# Altium PCB InsaneKeyboard.PcbDoc (part 1 of 4) (continued)
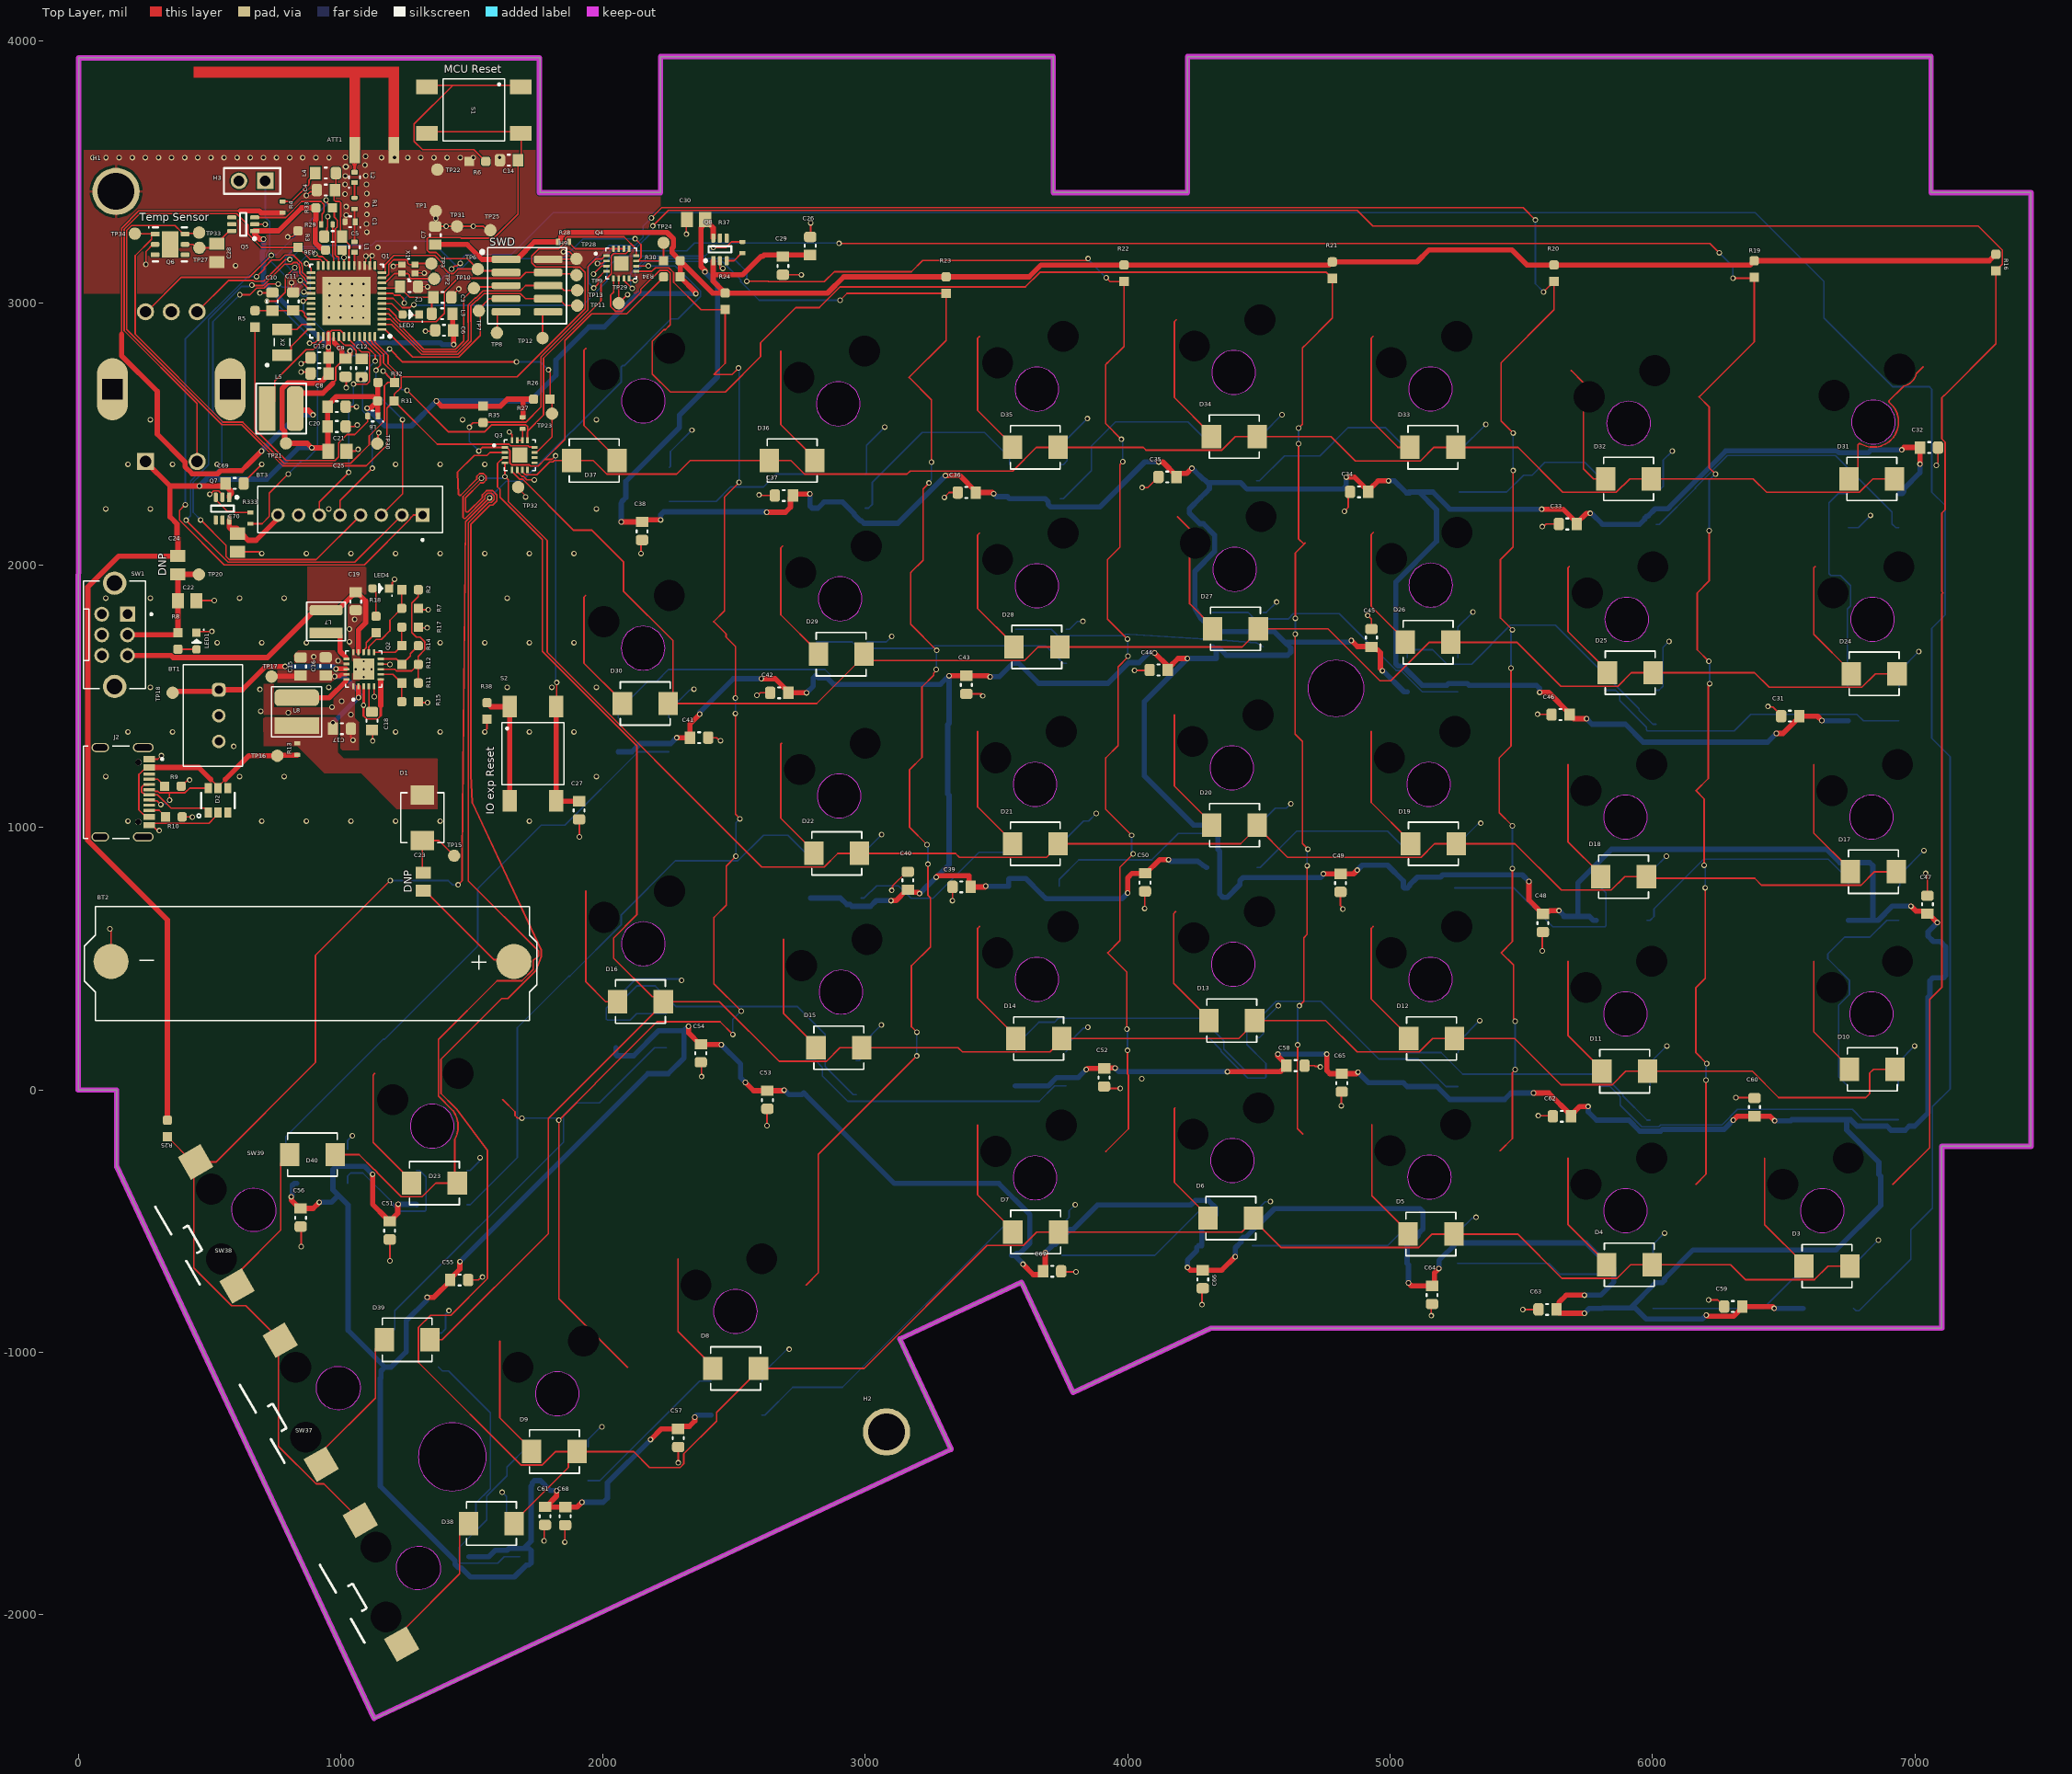
[diagram p0: Top Layer view]
## Part data (continued)
L3 L4: "RFVDD, PAVDD, EFR", Case Code=0603, Clock Frequency=100MHz, Current Rating=500mA, DC Resistance-Max=380mR, Manufacturer=Murata, Manufacturer Part Number=BLM18AG601SN1D, Max Operating Temperature=125°C, Min Operating Temperature=-55°C, Supplier Part Number=490-1014-1-ND, Category="Ferrite Beads and Chips", Channels=1, ComponentLink1Description=https://datasheet.ciiva.com:443/pdfs/VipMasterIC/IC/MURE/MURE-S-A0008871331/MURE-S-A0008870588-1.pdf?src-supplier=IHS+Markit, ComponentLink1URL=https://datasheet.ciiva.com:443/pdfs/VipMasterIC/IC/MURE/MURE-S-A0008871331/MURE-S-A0008870588-1.pdf?src-supplier=IHS+Markit, ComponentLink2Description=https://datasheet.ciiva.com/19460/1844766-19460213.pdf?src-supplier=Jameco, ComponentLink2URL=https://datasheet.ciiva.com/19460/1844766-19460213.pdf?src-supplier=Jameco, ComponentLink3Description=https://datasheet.ciiva.com/29347/442309-da-01-en-chip-drossel-0603-600r-500ma-1-6x0-8mm-29347900.pdf?src-supplier=Conrad, ComponentLink3URL=https://datasheet.ciiva.com/29347/442309-da-01-en-chip-drossel-0603-600r-500ma-1-6x0-8mm-29347900.pdf?src-supplier=Conrad, ComponentLink4Description=https://datasheet.ciiva.com/41449/001172228-da-01-en-drossel-0603-600r-1-6x0-8mm-4000st-41449517.pdf?src-supplier=Conrad, ComponentLink4URL=https://datasheet.ciiva.com/41449/001172228-da-01-en-drossel-0603-600r-1-6x0-8mm-4000st-41449517.pdf?src-supplier=Conrad, ComponentLink5Description=https://datasheet.ciiva.com/1012/l0110s0100blm18a-1012017.pdf?src-supplier=Digikey, ComponentLink5URL=https://datasheet.ciiva.com/1012/l0110s0100blm18a-1012017.pdf?src-supplier=Digikey, ComponentLink6Description=https://datasheet.ciiva.com/1012/l0110s0100blm18a-1012018.pdf?src-supplier=Digikey, ComponentLink6URL=https://datasheet.ciiva.com/1012/l0110s0100blm18a-1012018.pdf?src-supplier=Digikey, ComponentLink7Description=https://datasheet.ciiva.com/1012/l0110s0100blm18a-1012019.pdf?src-supplier=Digikey, ComponentLink7URL=https://datasheet.ciiva.com/1012/l0110s0100blm18a-1012019.pdf?src-supplier=Digikey, ComponentLink8Description=https://datasheet.ciiva.com/3081/l0110s0100blm18a-3081613.pdf?src-supplier=Avnet, ComponentLink8URL=https://datasheet.ciiva.com/3081/l0110s0100blm18a-3081613.pdf?src-supplier=Avnet, Construction="Chip Bead", Filter Type="FERRITE CHIP", Height=0.8mm, JESD-609 Code=e3, Length=1.6mm, Material=Ferrite, Min Frequency=100MHz, Mounting Technology="Surface Mount", Output Impedance=600R, Packaging="Tape and Reel", Pricing="1=0.1, 10=0.058, 25=0.0504, 50=0.0452, 100=0.0405, 250=0.03488, 500=0.03106, 1000=0.02756 (USD)", Reach SVHC Compliant=Yes, RoHS=Yes, RoHS Compliant=Yes, Stock=669813, Supplier=Digikey, Terminal Finish=Nickel, Width=0.8mm
L5: "General Purpose Inductor, 4.7uH, 30%, 1 Element, Ferrite-Core, SMD, 1515", Case/Size Code=1515, DC Resistance (DCR)=105mR, Inductance-Nom (L)=4.7uH, Inductor Application="POWER INDUCTOR", Inductor Type="GENERAL PURPOSE INDUCTOR", Manufacturer="Wurth Electronics", Manufacturer Part Number=744031004, Max Current Rating=1.2A, Max Operating Temperature=115°C, Min Operating Temperature=-40°C, Package Height=1.65mm, Package Length=3.8mm, Package Style=SMTMeter, Self Resonant Frequency=75MHz, Supplier Part Number=732-1008-1-ND, Test Frequency=100kHz, Tolerance=30%, Category="Fixed Inductors", Channels=1, ComponentLink1Description=https://datasheet.ciiva.com:443/pdfs/VipMasterIC/IC/MIDC/MIDC-S-A0002801302/MIDC-S-A0002801302-1.pdf?src-supplier=IHS+Markit, ComponentLink1URL=https://datasheet.ciiva.com:443/pdfs/VipMasterIC/IC/MIDC/MIDC-S-A0002801302/MIDC-S-A0002801302-1.pdf?src-supplier=IHS+Markit, ComponentLink2Description=https://datasheet.ciiva.com/7210/744031004-7210940.pdf?src-supplier=Newark, ComponentLink2URL=https://datasheet.ciiva.com/7210/744031004-7210940.pdf?src-supplier=Newark, ComponentLink3Description=https://datasheet.ciiva.com/11800/0900766b8079f7b1-11800238.pdf?src-supplier=Rs, ComponentLink3URL=https://datasheet.ciiva.com/11800/0900766b8079f7b1-11800238.pdf?src-supplier=Rs, ComponentLink4Description=https://datasheet.ciiva.com/4961/744031004-18796-4961279.pdf?src-supplier=Mouser, ComponentLink4URL=https://datasheet.ciiva.com/4961/744031004-18796-4961279.pdf?src-supplier=Mouser, ComponentLink5Description=https://datasheet.ciiva.com/22702/1910986-22702636.pdf?src-supplier=Element14, ComponentLink5URL=https://datasheet.ciiva.com/22702/1910986-22702636.pdf?src-supplier=Element14, ComponentLink6Description=https://datasheet.ciiva.com/14123/lm744031004-data-de-14123798.pdf?src-supplier=Distrelec, ComponentLink6URL=https://datasheet.ciiva.com/14123/lm744031004-data-de-14123798.pdf?src-supplier=Distrelec, ComponentLink7Description=https://datasheet.ciiva.com/1050/744031004-1050615.pdf?src-supplier=Digikey, ComponentLink7URL=https://datasheet.ciiva.com/1050/744031004-1050615.pdf?src-supplier=Digikey, ComponentLink8Description=https://datasheet.ciiva.com/1050/744031004-1050616.pdf?src-supplier=Digikey, ComponentLink8URL=https://datasheet.ciiva.com/1050/744031004-1050616.pdf?src-supplier=Digikey, ComponentLink9Description=https://datasheet.ciiva.com/1050/744031004-1050617.pdf?src-supplier=Digikey, ComponentLink9URL=https://datasheet.ciiva.com/1050/744031004-1050617.pdf?src-supplier=Digikey, Construction=Chip, Core Material=Ferrite, JESD-609 Code=e1, Package Width=3.8mm, Packaging="Tape and Reel", Pins=2, Pricing="1=1.52, 10=1.481, 50=1.296, 100=1.185, 500=1.044 (USD)", Reach SVHC Compliant=Yes, RoHS=Yes, RoHS Compliant=Yes, Shape/Size Description="RECTANGULAR PACKAGE", Shielding=Unshielded, Stock=8696, Supplier=Digikey, Surface Mount=Yes, Terminal Finish=Copper, Terminal Placement="Dual Ended", Termination="One Surface"
L6: "Ferrite Chip, 1 Function(s), 0.05A, 2 Pin(s)", Current Rating=50mA, DC Resistance-Max=1.8R, Manufacturer="Wurth Electronics", Manufacturer Part Number=742841210, Max Operating Temperature=125°C, Min Operating Temperature=-55°C, Supplier Part Number=732-2363-1-ND, Approvals=IECV, Category="Ferrite Beads and Chips", Channels=1, ComponentLink1Description=https://datasheet.ciiva.com:443/pdfs/VipMasterIC/IC/MIDC/MIDC-S-A0010058265/MIDC-S-A0010058302-1.pdf?src-supplier=IHS+Markit, ComponentLink1URL=https://datasheet.ciiva.com:443/pdfs/VipMasterIC/IC/MIDC/MIDC-S-A0010058265/MIDC-S-A0010058302-1.pdf?src-supplier=IHS+Markit, ComponentLink2Description=https://datasheet.ciiva.com/1013/742841210-1013608.pdf?src-supplier=Digikey, ComponentLink2URL=https://datasheet.ciiva.com/1013/742841210-1013608.pdf?src-supplier=Digikey, ComponentLink3Description=https://datasheet.ciiva.com/23763/742841210-23763049.pdf?src-supplier=Newark, ComponentLink3URL=https://datasheet.ciiva.com/23763/742841210-23763049.pdf?src-supplier=Newark, ComponentLink4Description=https://datasheet.ciiva.com/30490/0900766b812a6786-30490017.pdf?src-supplier=Rs, ComponentLink4URL=https://datasheet.ciiva.com/30490/0900766b812a6786-30490017.pdf?src-supplier=Rs, ComponentLink5Description=https://datasheet.ciiva.com/4942/742841210-66534-4942954.pdf?src-supplier=Mouser, ComponentLink5URL=https://datasheet.ciiva.com/4942/742841210-66534-4942954.pdf?src-supplier=Mouser, ComponentLink6Description=https://datasheet.ciiva.com/22711/1696154-22711446.pdf?src-supplier=Element14, ComponentLink6URL=https://datasheet.ciiva.com/22711/1696154-22711446.pdf?src-supplier=Element14, ComponentLink7Description=https://datasheet.ciiva.com/1466/1696154-1466628.pdf?src-supplier=Element14, ComponentLink7URL=https://datasheet.ciiva.com/1466/1696154-1466628.pdf?src-supplier=Element14, Filter Type="FERRITE CHIP", Height=0.5mm, JESD-609 Code=e3, Length=1mm, Mounting Technology="Surface Mount", Output Impedance=1kR, Packaging="Tape and Reel", Pricing="1=0.25, 100=0.239, 500=0.215, 1000=0.203, 2000=0.191 (USD)", Reach SVHC Compliant=Yes, RoHS=Yes, RoHS Compliant=Yes, Stock=18596, Supplier=Digikey, Terminal Finish=Nickel, Width=0.5mm
L7: "General Purpose Inductor, 10uH, 30%, 1 Element, Ferrite-Core, SMD, 1111", Case/Size Code=1111, DC Resistance (DCR)=470mR, Inductance-Nom (L)=10uH, Inductor Application="POWER INDUCTOR", Inductor Type="GENERAL PURPOSE INDUCTOR", Manufacturer="Wurth Electronics", Manufacturer Part Number=744029100, Max Current Rating=750mA, Max Operating Temperature=125°C, Min Operating Temperature=-40°C, Package Height=1.35mm, Package Length=2.8mm, Package Style=SMTMeter, Self Resonant Frequency=40MHz, Supplier Part Number=732-1091-1-ND, Test Frequency=100kHz, Tolerance=30%, Category="Fixed Inductors", Channels=1, ComponentLink1Description=https://datasheet.ciiva.com:443/pdfs/VipMasterIC/IC/MIDC/MIDC-S-A0002801410/MIDC-S-A0002801335-1.pdf?src-supplier=IHS+Markit, ComponentLink1URL=https://datasheet.ciiva.com:443/pdfs/VipMasterIC/IC/MIDC/MIDC-S-A0002801410/MIDC-S-A0002801335-1.pdf?src-supplier=IHS+Markit, ComponentLink2Description=https://datasheet.ciiva.com/6700/744029100-6700264.pdf?src-supplier=Digikey, ComponentLink2URL=https://datasheet.ciiva.com/6700/744029100-6700264.pdf?src-supplier=Digikey, ComponentLink3Description=https://datasheet.ciiva.com/5975/69360-5975061.pdf?src-supplier=Farnell, ComponentLink3URL=https://datasheet.ciiva.com/5975/69360-5975061.pdf?src-supplier=Farnell, ComponentLink4Description=https://datasheet.ciiva.com/11802/0900766b80d7f1cc-11802020.pdf?src-supplier=Rs, ComponentLink4URL=https://datasheet.ciiva.com/11802/0900766b80d7f1cc-11802020.pdf?src-supplier=Rs, ComponentLink5Description=https://datasheet.ciiva.com/4961/744029100-81254-4961409.pdf?src-supplier=Mouser, ComponentLink5URL=https://datasheet.ciiva.com/4961/744029100-81254-4961409.pdf?src-supplier=Mouser, ComponentLink6Description=https://datasheet.ciiva.com/6700/744029100-6700266.pdf?src-supplier=Digikey, ComponentLink6URL=https://datasheet.ciiva.com/6700/744029100-6700266.pdf?src-supplier=Digikey, ComponentLink7Description=https://datasheet.ciiva.com/7892/69360-7892549.pdf?src-supplier=Element14, ComponentLink7URL=https://datasheet.ciiva.com/7892/69360-7892549.pdf?src-supplier=Element14, ComponentLink8Description=https://datasheet.ciiva.com/22702/69360-22702631.pdf?src-supplier=Element14, ComponentLink8URL=https://datasheet.ciiva.com/22702/69360-22702631.pdf?src-supplier=Element14, Construction=Chip, Core Material=Ferrite, JESD-609 Code=e3, Package Width=2.8mm, Packaging="Tape and Reel", Pins=2, Pricing="1=1.5, 10=1.36, 50=1.18, 100=1.11, 500=1.02 (USD)", Reach SVHC Compliant=Yes, RoHS=Yes, RoHS Compliant=Yes, Shape/Size Description="RECTANGULAR PACKAGE", Shielding=Unshielded, Stock=28863, Supplier=Digikey, Surface Mount=Yes, Terminal Finish=Tin, Terminal Placement="Dual Ended", Termination="One Surface"
L8: "General Purpose Inductor, 22uH, 30%, 1 Element, Ferrite-Core, SMD, 1515", Case/Size Code=1515, DC Resistance (DCR)=450mR, Inductance-Nom (L)=22uH, Inductor Application="POWER INDUCTOR", Inductor Type="GENERAL PURPOSE INDUCTOR", Manufacturer="Wurth Electronics", Manufacturer Part Number=744031220, Max Current Rating=510mA, Max Operating Temperature=115°C, Min Operating Temperature=-40°C, Package Height=1.65mm, Package Length=3.8mm, Package Style=SMTMeter, Self Resonant Frequency=26MHz, Supplier Part Number=732-1012-1-ND, Test Frequency=100kHz, Tolerance=30%, Category="Fixed Inductors", Channels=1, ComponentLink1Description=https://datasheet.ciiva.com:443/pdfs/VipMasterIC/IC/MIDC/MIDC-S-A0002802410/MIDC-S-A0002802381-1.pdf?src-supplier=IHS+Markit, ComponentLink1URL=https://datasheet.ciiva.com:443/pdfs/VipMasterIC/IC/MIDC/MIDC-S-A0002802410/MIDC-S-A0002802381-1.pdf?src-supplier=IHS+Markit, ComponentLink2Description=https://datasheet.ciiva.com/4961/744031220-79613-4961173.pdf?src-supplier=Mouser, ComponentLink2URL=https://datasheet.ciiva.com/4961/744031220-79613-4961173.pdf?src-supplier=Mouser, ComponentLink3Description=https://datasheet.ciiva.com/11800/0900766b8079f7b9-11800353.pdf?src-supplier=Rs, ComponentLink3URL=https://datasheet.ciiva.com/11800/0900766b8079f7b9-11800353.pdf?src-supplier=Rs, ComponentLink4Description=https://datasheet.ciiva.com/7210/744031220-7210946.pdf?src-supplier=Newark, ComponentLink4URL=https://datasheet.ciiva.com/7210/744031220-7210946.pdf?src-supplier=Newark, ComponentLink5Description=https://datasheet.ciiva.com/1058/744031220-1058566.pdf?src-supplier=Digikey, ComponentLink5URL=https://datasheet.ciiva.com/1058/744031220-1058566.pdf?src-supplier=Digikey, ComponentLink6Description=https://datasheet.ciiva.com/1058/744031220-1058567.pdf?src-supplier=Digikey, ComponentLink6URL=https://datasheet.ciiva.com/1058/744031220-1058567.pdf?src-supplier=Digikey, ComponentLink7Description=https://datasheet.ciiva.com/14123/lp744031220-data-de-14123802.pdf?src-supplier=Distrelec, ComponentLink7URL=https://datasheet.ciiva.com/14123/lp744031220-data-de-14123802.pdf?src-supplier=Distrelec, ComponentLink8Description=https://datasheet.ciiva.com/7691/744031220-7691543.pdf?src-supplier=Element14, ComponentLink8URL=https://datasheet.ciiva.com/7691/744031220-7691543.pdf?src-supplier=Element14, Construction=Chip, Core Material=Ferrite, JESD-609 Code=e3, Package Width=3.8mm, Packaging="Tape and Reel", Pins=2, Pricing="1=1.52, 10=1.481, 50=1.296, 100=1.185, 500=1.044, 1000=0.821, 2000=0.735 (USD)", Reach SVHC Compliant=Yes, RoHS=Yes, RoHS Compliant=Yes, Shape/Size Description="RECTANGULAR PACKAGE", Shielding=Unshielded, Stock=7582, Supplier=Digikey, Surface Mount=Yes, Terminal Finish=Tin, Terminal Placement="Dual Ended", Termination="One Surface"
LED LED5 LED6 LED7 LED8 LED9 LED10 LED11 LED12 LED13 LED14 LED15 LED16 LED17 LED18 LED19 LED20 LED21 LED22 LED23 LED24 LED25 LED26 LED27 LED28 LED29 LED30 LED31 LED32 LED33 LED34 LED35 LED36 LED37 LED38 LED39 LED40 LED41: "Raspberry Pi HAT _40 pin_ Wheeled Robotics Kit", Package=None, Availability=Unavailable, MF="SparkFun Electronics", MP=WS2812B, Price=None, SnapEDA_Link=https://www.snapeda.com/parts/WS2812B/Worldsemi/view-part/1038297/?ref=snap
LED1 LED2 LED4: library part "LED Green 0603", "LED, 0603, GREEN, 430MCD, 520NM", Color=Green, Current - Test=20mA, Manufacturer="Wurth Electronics", Manufacturer Part Number=150060GS75000, Millicandela Rating=430mcd, Package / Case="0603 (1608 Metric)", Standard Package=4,000, Supplier Part Number 1=732-4971-1-ND, Voltage - Forward (Vf) (Typ)=3.2V, 3D Model="SMCW_0603.igs /  / SMCW_0603.stp /  / SMCW_0603.wrl", Category=Optoelectronics, ComponentLink1Description=https://katalog.we-online.de/led/datasheet/150060GS75000.pdf?src-supplier=Digi-Key, ComponentLink1URL=https://katalog.we-online.de/led/datasheet/150060GS75000.pdf?src-supplier=Digi-Key, ComponentLink2Description=http://www.produktinfo.conrad.com/datenblaetter/750000-774999/759427-da-01-en-CHIPLED_0603_W_KL_GRUEN_150060GS75000.pdf?src-supplier=Conrad, ComponentLink2URL=http://www.produktinfo.conrad.com/datenblaetter/750000-774999/759427-da-01-en-CHIPLED_0603_W_KL_GRUEN_150060GS75000.pdf?src-supplier=Conrad, Dynamic Catalog="0603 Rectangle with Flat Top Chip LEDs", Family="LED Indication - Discrete", Height=0.70mm, Lens Style/Size="Rectangle with Flat Top, 1.1mm x 0.7mm", Lens Type=Clear, Mounting Type="Surface Mount", Online Catalog="0603 Rectangle with Flat Top Chip LEDs", Other Names=732-4971-2, Packaging="Tape & Reel (TR)", Pricing 1="1=0.14, 50=0.129, 100=0.11, 500=0.095 (USD)", Series=WL-SMCW, Size / Dimension="1.60mm L x 0.80mm W", Stock 1=34964, Supplier 1=Digi-Key, Viewing Angle=140°, Wavelength - Dominant=520nm, Wavelength - Peak=515nm
MT1: "Rotary Position Encoder, Single, 2 Channels", Manufacturer=Bourns, Manufacturer Part Number=PEC12R-4222F-S0024, Max Operating Temperature=70°C, Min Operating Temperature=-30°C, Package=None, Supplier Part Number=PEC12R-4222F-S0024-ND, Availability=Unavailable, Category=Encoders, Channels=1, ComponentLink1Description=https://datasheet.ciiva.com:443/pdfs/VipMasterIC/IC/BOUR/BOUR-S-A0008996893/BOUR-S-A0008996893-1.pdf?src-supplier=IHS+Markit, ComponentLink1URL=https://datasheet.ciiva.com:443/pdfs/VipMasterIC/IC/BOUR/BOUR-S-A0008996893/BOUR-S-A0008996893-1.pdf?src-supplier=IHS+Markit, ComponentLink2Description=http://www.mouser.com/ds/2/54/EC12R-777795.pdf?src-supplier=Mouser, ComponentLink2URL=http://www.mouser.com/ds/2/54/EC12R-777795.pdf?src-supplier=Mouser, ComponentLink3Description=https://www.bourns.com/docs/Product-Datasheets/PEC12R.pdf?src-supplier=Digikey, ComponentLink3URL=https://www.bourns.com/docs/Product-Datasheets/PEC12R.pdf?src-supplier=Digikey, ComponentLink4Description=http://www.bourns.com/data/global/pdfs/PEC12R.pdf?src-supplier=Avnet, ComponentLink4URL=http://www.bourns.com/data/global/pdfs/PEC12R.pdf?src-supplier=Avnet, MP=PEC11R-4215F-S0024, Optoelectronic Device Type="ROTARY POSITION ENCODER", Price=None, Pricing="1=1.62, 5=1.53, 10=1.431, 25=1.3148, 75=1.22787, 150=1.108, 300=1.04813, 450=0.98824, 975=0.92834 (USD)", Reach SVHC Compliant=Yes, RoHS=Yes, RoHS Compliant=Yes, Stock=991, Supplier=Digikey
Q1: "BLue Gecko", Manufacturer="Silicon Labs", Supplier Part Number=336-EFR32BG13P632F512GM32-DRCT-ND, Category="RF Receivers, Transceivers", ComponentLink1Description=https://www.silabs.com/documents/login/data-sheets/efr32bg13-datasheet.pdf?src-supplier=Digikey, ComponentLink1URL=https://www.silabs.com/documents/login/data-sheets/efr32bg13-datasheet.pdf?src-supplier=Digikey, Manufacturer Part Number=EFR32BG13P632F512GM32-DR, Pricing="1=6.93, 10=6.355, 25=5.7772, 100=5.1995, 250=4.7662, 500=4.3329, 1000=3.89961 (USD)", RoHS=No, RoHS Compliant=Yes, Stock=30445, Supplier=Digikey
Q2: "Power Supply Support Circuit, Adjustable, 1 Channel, PQCC20", Case/Package=HVQCCN, Manufacturer="Texas Instruments", Max Operating Temperature=85°C, Max Supply Voltage=5.1V, Min Operating Temperature=-40°C, Min Supply Voltage=100mV, Package Body Material=Plastic, Package Shape=Square, Package Style="CHIP CARRIER, HEAT SINK/SLUG, VERY THIN PROFILEMeter", Peak Reflow Temperature (Cel)=260°C, Supplier Part Number=296-39934-1-ND, Temperature Grade=INDUSTRIAL, Adjustable Threshold=Yes, Category="Battery Management", Channels=1, ComponentLink1Description=https://www.ti.com:443/lit/ds/symlink/bq25570.pdf?src-supplier=IHS+Markit, ComponentLink1URL=https://www.ti.com:443/lit/ds/symlink/bq25570.pdf?src-supplier=IHS+Markit, ComponentLink2Description=https://datasheet.ciiva.com/29590/bq25570-29590060.pdf?src-supplier=Digikey, ComponentLink2URL=https://datasheet.ciiva.com/29590/bq25570-29590060.pdf?src-supplier=Digikey, Height - Seated (Max)=1mm, JESD-609 Code=e4, Length=3.5mm, Manufacturer Part Number=BQ25570RGRR, Moisture Sensitivity Level=2, Number of Channels=1, Pins=20, Pricing="1=7.11, 10=6.421, 25=6.1224, 100=5.3161, 250=5.07716, 500=4.62918, 1000=4.03187 (USD)", Reach SVHC Compliant=Yes, RoHS=Yes, RoHS Compliant=Yes, Stock=9572, Supplier=Digikey, Surface Mount=Yes, Terminal Finish=Nickel, Terminal Form="No Lead", Terminal Pitch=0.5mm, Terminal Position=QUAD, Throw Configuration="POWER SUPPLY SUPPORT CIRCUIT", Width=3.5mm
Q3 Q4: "Parallel I/O Port, 8-Bit, 8 I/O, CMOS, PQCC16", Case/Package=HVQCCN, Manufacturer="Texas Instruments", Max Operating Temperature=85°C, Max Supply Voltage=5.5V, Min Operating Temperature=-40°C, Min Supply Voltage=1.65V, Nominal Supply Voltage=1.8V, Package Body Material=Plastic, Package Equivalence Code=LCC16,.12SQ,20, Package Shape=Square, Package Style="CHIP CARRIER, HEAT SINK/SLUG, VERY THIN PROFILEMeter", Peak Reflow Temperature (Cel)=260°C, Power Supplies=1.8/5V, Supplier Part Number=296-24825-1-ND, Temperature Grade=INDUSTRIAL, Category="Integrated Circuits (ICs)", ComponentLink1Description=https://www.ti.com:443/lit/ds/symlink/tca6408a.pdf?src-supplier=IHS+Markit, ComponentLink1URL=https://www.ti.com:443/lit/ds/symlink/tca6408a.pdf?src-supplier=IHS+Markit, ComponentLink2Description=https://datasheet.ciiva.com/14194/tca6408a-14194304.pdf?src-supplier=Avnet, ComponentLink2URL=https://datasheet.ciiva.com/14194/tca6408a-14194304.pdf?src-supplier=Avnet, ComponentLink3Description=https://datasheet.ciiva.com/15134/getdatasheetpartid-186211-15134441.pdf?src-supplier=Verical, ComponentLink3URL=https://datasheet.ciiva.com/15134/getdatasheetpartid-186211-15134441.pdf?src-supplier=Verical, ComponentLink4Description=https://datasheet.ciiva.com/41460/001187862-da-01-en-ic-i-o-expander-tca6408argtr-qfn-16-tid-41460603.pdf?src-supplier=Conrad, ComponentLink4URL=https://datasheet.ciiva.com/41460/001187862-da-01-en-ic-i-o-expander-tca6408argtr-qfn-16-tid-41460603.pdf?src-supplier=Conrad, ComponentLink5Description=https://datasheet.ciiva.com/1780/tca6408a-1780312.pdf?src-supplier=Digikey, ComponentLink5URL=https://datasheet.ciiva.com/1780/tca6408a-1780312.pdf?src-supplier=Digikey, ComponentLink6Description=https://datasheet.ciiva.com/1780/tca6408a-1780313.pdf?src-supplier=Digikey, ComponentLink6URL=https://datasheet.ciiva.com/1780/tca6408a-1780313.pdf?src-supplier=Digikey, ComponentLink7Description=https://datasheet.ciiva.com/1780/tca6408a-1780314.pdf?src-supplier=Digikey, ComponentLink7URL=https://datasheet.ciiva.com/1780/tca6408a-1780314.pdf?src-supplier=Digikey, Height - Seated (Max)=1mm, JESD-30 Code=S-PQCC-N16, JESD-609 Code=e4, Length=3mm, Manufacturer Part Number=TCA6408ARGTR, Moisture Sensitivity Level=2, Number of Bits=8, Number of I/O Lines=8, Number of Ports=1, Pins=16, Pricing="1=1.03, 10=0.723, 25=0.6464, 100=0.5638, 250=0.68844, 500=0.6084, 1000=0.56375, 3000=0.56375 (USD)", Qualification Status="Not Qualified", Reach SVHC Compliant=Yes, RoHS=Yes, RoHS Compliant=Yes, Stock=16670, Supplier=Digikey, Surface Mount=Yes, Technology=CMOS, Terminal Finish=Nickel, Terminal Form="No Lead", Terminal Pitch=0.5mm, Terminal Position=QUAD, Width=3mm
Q5 Q7 Q8: "Buffer/Inverter Based Peripheral Driver, 3A, PDSO6", Manufacturer="Texas Instruments", Manufacturer Part Number=TPS22919DCKT, Supplier Part Number=595-TPS22919DCKT, Category="Power Management ICs", ComponentLink1Description=https://www.ti.com:443/lit/ds/symlink/tps22919.pdf?src-supplier=IHS+Markit, ComponentLink1URL=https://www.ti.com:443/lit/ds/symlink/tps22919.pdf?src-supplier=IHS+Markit, ComponentLink2Description=http://www.ti.com/general/docs/suppproductinfo.tsp?distId=10&amp;gotoUrl=http%3A%2F%2Fwww.ti.com%2Flit%2Fgpn%2Ftps22919&src-supplier=Digikey, ComponentLink2URL=http://www.ti.com/general/docs/suppproductinfo.tsp?distId=10&amp;gotoUrl=http%3A%2F%2Fwww.ti.com%2Flit%2Fgpn%2Ftps22919&src-supplier=Digikey, Pricing="1=0.94, 10=0.712, 50=0.712, 100=0.413, 1000=0.308, 10000=0.308 (USD)", RoHS=Yes, Stock=6490, Supplier=Mouser
Q6: "Serial Switch/Digital Sensor, 14 Bit(s), 0.40Cel, Square, Surface Mount", Manufacturer="Silicon Labs", Max Operating Temperature=85°C, Max Supply Voltage=3.6V, Min Operating Temperature=-40°C, Min Supply Voltage=1.9V, Operating Current-Max=4mA, Package Shape/Style=Square, Supplier Part Number=336-4380-1-ND, Accuracy-Max (Cel)=0.4°C, Body Breadth=3inch, Body Height=1.21mm, Body Length or Diameter=3mm, Category="Temperature and Humidity Sensors", ComponentLink1Description=https://datasheet.ciiva.com:443/pdfs/VipMasterIC/IC/SILC/SILC-S-A0009375758/SILC-S-A0009375758-1.pdf?src-supplier=IHS+Markit, ComponentLink1URL=https://datasheet.ciiva.com:443/pdfs/VipMasterIC/IC/SILC/SILC-S-A0009375758/SILC-S-A0009375758-1.pdf?src-supplier=IHS+Markit, ComponentLink2Description=https://www.silabs.com/documents/public/data-sheets/Si7021-A20.pdf?src-supplier=Farnell, ComponentLink2URL=https://www.silabs.com/documents/public/data-sheets/Si7021-A20.pdf?src-supplier=Farnell, ComponentLink3Description=https://www.silabs.com/documents/public/data-sheets/Si7021-A20.pdf?src-supplier=Digikey, ComponentLink3URL=https://www.silabs.com/documents/public/data-sheets/Si7021-A20.pdf?src-supplier=Digikey, ComponentLink4Description=https://www.silabs.com/Support%20Documents%2fTechnicalDocs%2fSi7021-A20.pdf?src-supplier=Digikey, ComponentLink4URL=https://www.silabs.com/Support%20Documents%2fTechnicalDocs%2fSi7021-A20.pdf?src-supplier=Digikey, ComponentLink5Description=https://www.silabs.com/Support%20Documents/TechnicalDocs/Si7021-A20.pdf?src-supplier=Avnet, ComponentLink5URL=https://www.silabs.com/Support%20Documents/TechnicalDocs/Si7021-A20.pdf?src-supplier=Avnet, ComponentLink6Description=https://www.silabs.com/documents/public/data-sheets/Si7021-A20.pdf?src-supplier=Newark, ComponentLink6URL=https://www.silabs.com/documents/public/data-sheets/Si7021-A20.pdf?src-supplier=Newark, ComponentLink7Description=https://datasheet.octopart.com/SI7021-A20-GM1R-Silicon-Labs-datasheet-134531215.pdf?src-supplier=LKR, ComponentLink7URL=https://datasheet.octopart.com/SI7021-A20-GM1R-Silicon-Labs-datasheet-134531215.pdf?src-supplier=LKR, Manufacturer Part Number=SI7021-A20-GM1R, Mounting Technology="Surface Mount", Number of Bits=14, Output Interface Type=I2C, Pricing="1=11, 5=9.27, 10=8.614, 25=7.8184, 50=7.2658, 100=6.7525, 500=5.69712, 1000=5.29528 (USD)", Reach SVHC Compliant=Yes, RoHS=Yes, RoHS Compliant=Yes, Sensor Type="TEMPERATURE SENSOR,SWITCH/DIGITAL OUTPUT,SERIAL", Stock=4090, Supplier=Digikey, Termination=Solder
R1 R4 R13 R27 R28 R29 R37 R333: "Metal Glaze/thick Film, 0.0625W, 0ohm, Surface Mount, 0402", Case/Package=0402, Manufacturer=Yageo, Manufacturer Part Number=RC0402JR-070RL, Max Operating Temperature=155°C, Min Operating Temperature=-55°C, Package Height=0.35mm, Package Length=1mm, Package Shape=Rectangular, Package Style=SMTMeter, Package Width=0.5mm, Power=62.5mW, Rated Temperature=70°C, Resistor Type="FIXED RESISTOR", Supplier Part Number=311-0.0JRCT-ND, Category="Chip SMD Resistors", ComponentLink1Description=https://datasheet.ciiva.com:443/pdfs/VipMasterIC/IC/YAGO/YAGO-S-A0008145938/YAGO-S-A0008145938-1.pdf?src-supplier=IHS+Markit, ComponentLink1URL=https://datasheet.ciiva.com:443/pdfs/VipMasterIC/IC/YAGO/YAGO-S-A0008145938/YAGO-S-A0008145938-1.pdf?src-supplier=IHS+Markit, ComponentLink2Description=https://datasheet.ciiva.com/2452/pyu-rc0402-51-rohs-l-6-2452608.pdf?src-supplier=Digikey, ComponentLink2URL=https://datasheet.ciiva.com/2452/pyu-rc0402-51-rohs-l-6-2452608.pdf?src-supplier=Digikey, ComponentLink3Description=https://datasheet.ciiva.com/11808/0900766b80c66297-11808195.pdf?src-supplier=Rs, ComponentLink3URL=https://datasheet.ciiva.com/11808/0900766b80c66297-11808195.pdf?src-supplier=Rs, ComponentLink4Description=https://datasheet.ciiva.com/2452/pyu-r-int-thick-7-2452609.pdf?src-supplier=Digikey, ComponentLink4URL=https://datasheet.ciiva.com/2452/pyu-r-int-thick-7-2452609.pdf?src-supplier=Digikey, ComponentLink5Description=https://datasheet.ciiva.com/2452/pyu-r-int-thick-7-2452610.pdf?src-supplier=Digikey, ComponentLink5URL=https://datasheet.ciiva.com/2452/pyu-r-int-thick-7-2452610.pdf?src-supplier=Digikey, ComponentLink6Description=https://datasheet.ciiva.com/8896/pyu-rc0402-51-rohs-l-6-8896201.pdf?src-supplier=Avnet, ComponentLink6URL=https://datasheet.ciiva.com/8896/pyu-rc0402-51-rohs-l-6-8896201.pdf?src-supplier=Avnet, ComponentLink7Description=https://datasheet.ciiva.com/7983/1018594-7983535.pdf?src-supplier=Element14, ComponentLink7URL=https://datasheet.ciiva.com/7983/1018594-7983535.pdf?src-supplier=Element14, ComponentLink8Description=https://datasheet.ciiva.com/22747/1018594-22747515.pdf?src-supplier=Element14, ComponentLink8URL=https://datasheet.ciiva.com/22747/1018594-22747515.pdf?src-supplier=Element14, Construction=Chip, JESD-609 Code=e3, Mounting Technology="Surface Mount", Packaging="Tape and Reel", Pins=2, Pricing="1=0.1, 10=0.011, 25=0.0084, 50=0.0064, 100=0.0045, 250=0.00364, 500=0.0029, 1000=0.00214, 5000=0.00154, 10000=0.00133, 30000=0.00117, 50000=0.00107, 100000=0.00105 (USD)", Reach SVHC Compliant=Yes, RoHS=Yes, RoHS Compliant=Yes, Stock=15179907, Supplier=Digikey, Technology="METAL GLAZE/THICK FILM", Terminal Finish=Nickel, Termination=Wraparound